# Altium PCB PCB1.PcbDoc
Units mil, origin at the board's own origin, x right, y up, seen from the top; angles counter-clockwise.
Board outline 3430 x 2760 mil, 2 copper layers (Top Layer, Bottom Layer); 37 components, 53 nets, 207 pads, 16 vias.
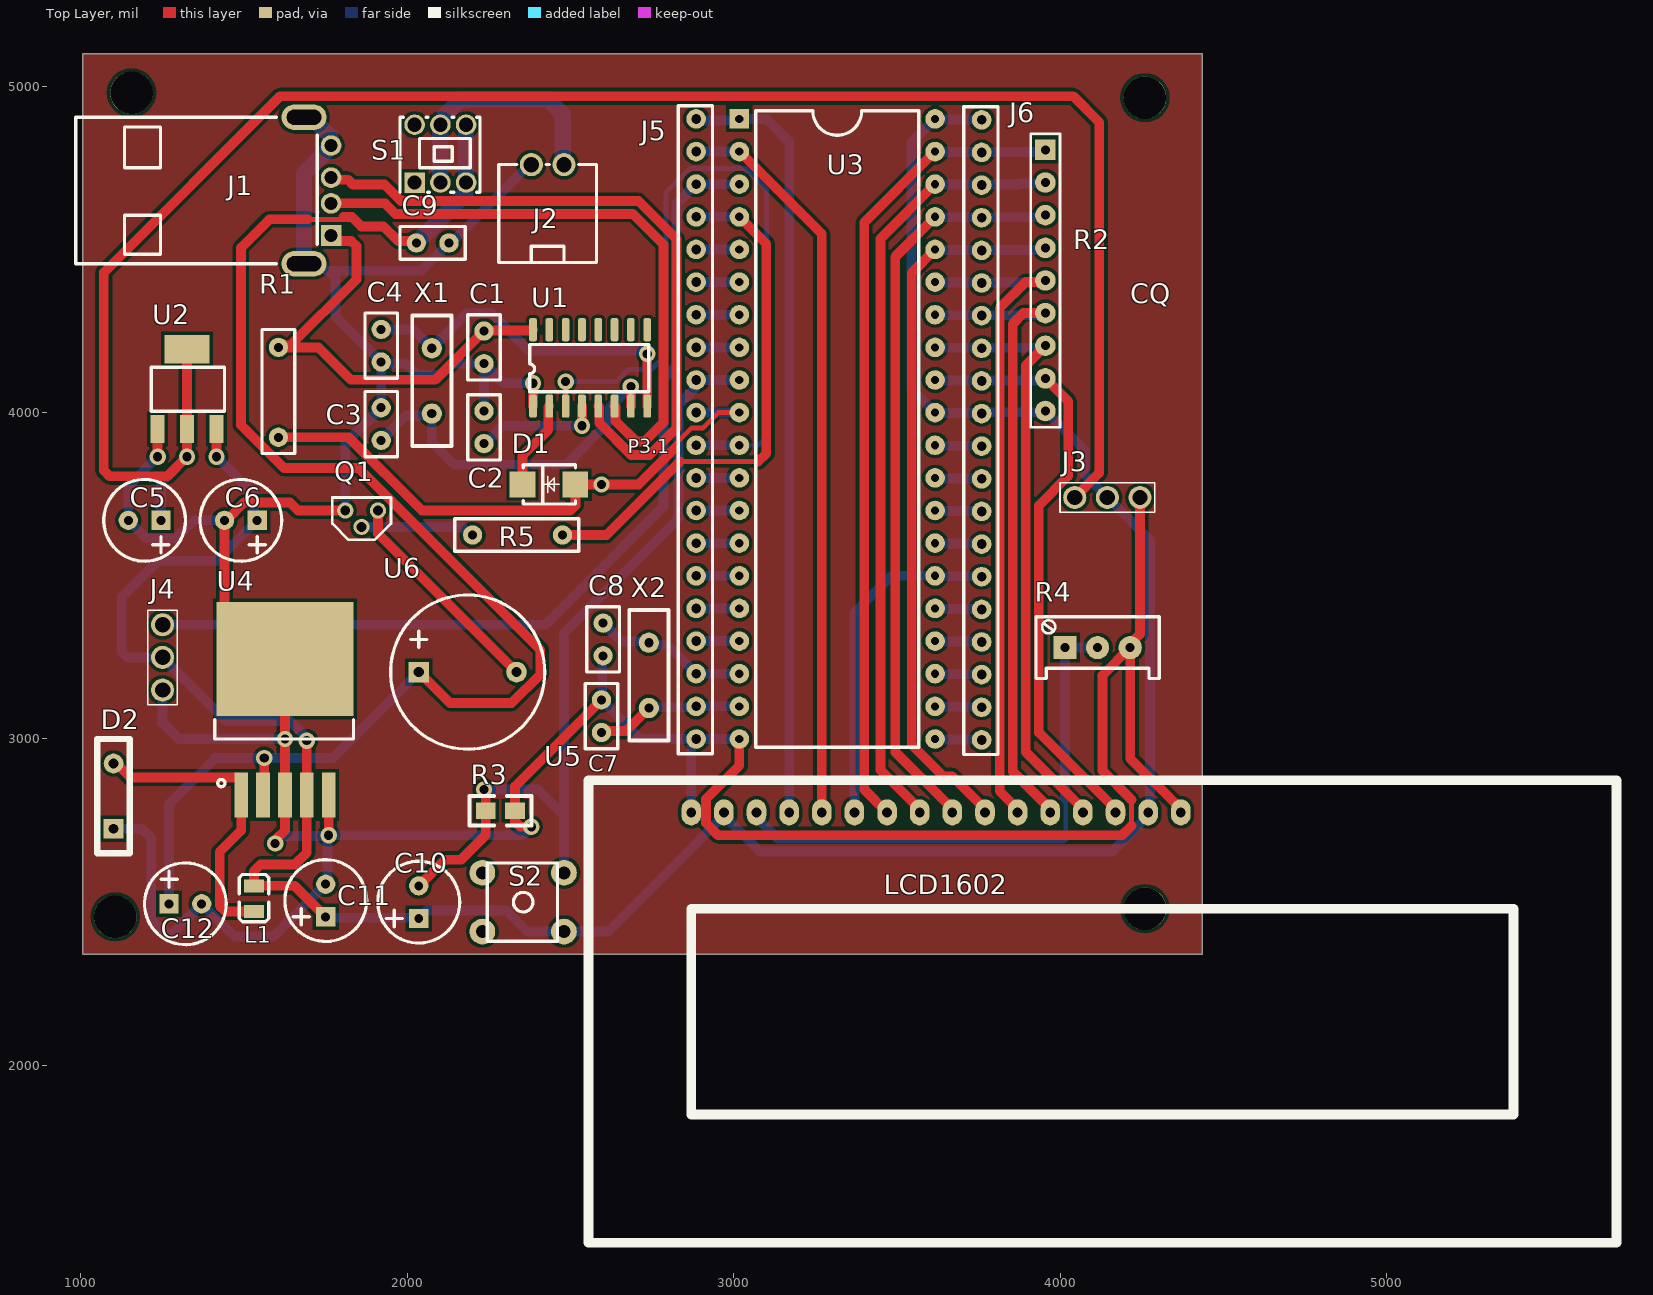
[diagram p0: Top Layer view]
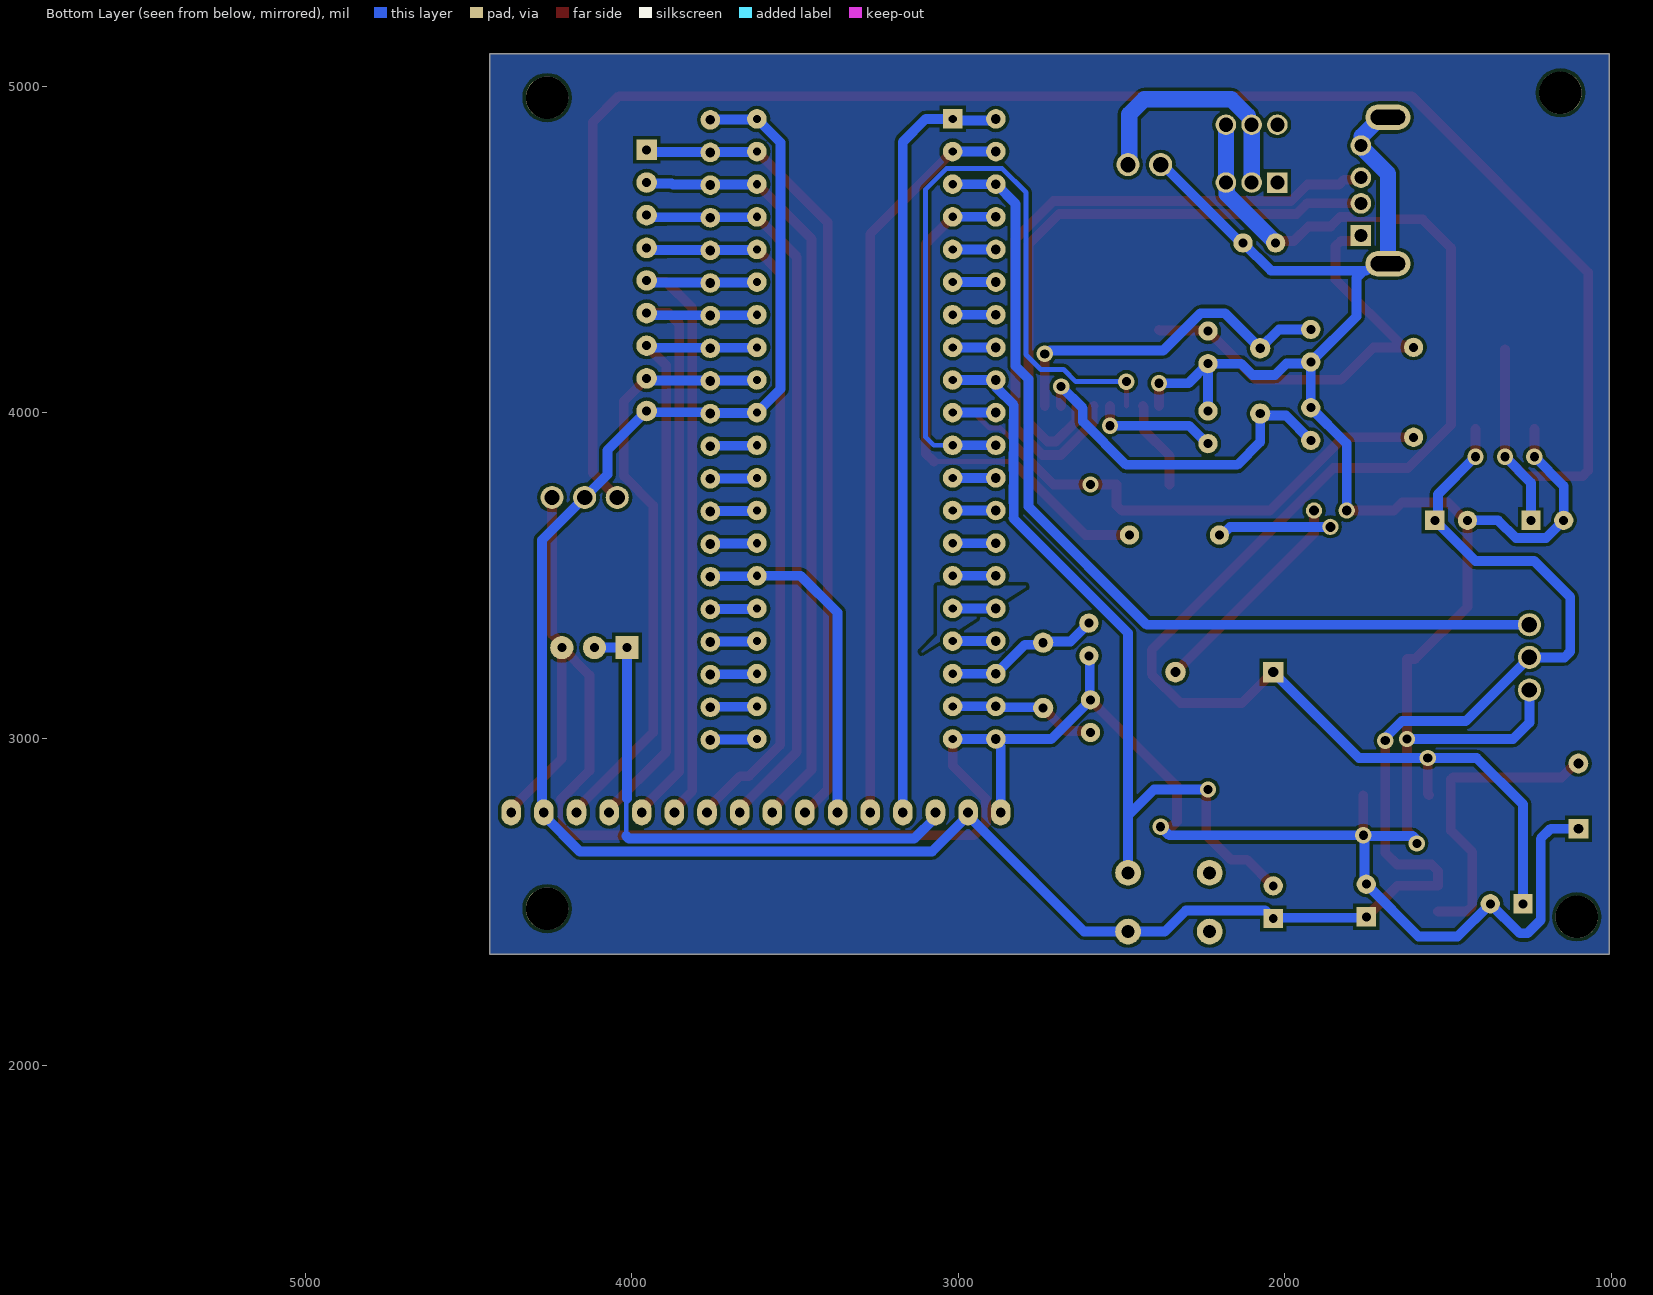
[diagram p1: Bottom Layer view, seen from below]

## Layer stack, top to bottom
Top Solder: solder mask 0.4, Solder Resist, Dk 3.5
Top Layer: signal copper 1.4
Dielectric 1: dielectric 12.6, FR-4, Dk 4.8
Bottom Layer: signal copper 1.4
Bottom Solder: solder mask 0.4, Solder Resist, Dk 3.5

## Board outline
1005,2340 1005,5100 4435,5100 4435,2340

## Design rules (kind name [scope] priority, off if disabled: settings)
Clearance [All] p1: gap=10 ignorepadtopadclearanceinfootprint=FALSE except(0: Arc-Hole Track-Hole SMDPad-Hole THPad-Hole Via-Hole Fill-Hole Poly-Hole Region-Hole Text-Hole)
PolygonConnect [All] p1: connectstyle=Relief reliefconductorwidth=10 reliefentries=4 polygonreliefangle="90 Angle" airgapwidth=10
RoutingVias [All] p1: holewidth=28 width=50 viastyle="Through Hole" minholewidth=28 minwidth=50 maxholewidth=28 maxwidth=50
SolderMaskExpansion [All] p1: expansion=4
Width [All] p1: maxlimit=78.74 minlimit=3.94 preferedwidth=19.68 minimp=50.000000 maximp=50.000000 favimp=50.000000
30 further rules are at their usual default settings.

## Components (designator, comment, footprint, x,y, rotation, side; value= is the part's Value field where it differs from the comment)
C1 "100nf" CAP_C 2235,4250 r270 top
C2 "100nf" CAP_C 2235,3905 r90 top
C3 "20pf" CAP_C 1920,3915 r90 top
C4 "20pf" CAP_C 1920,4255 r270 top
C5 "10uf" CAP_POL 1245,3670 r180 top
C6 "10uf" CAP_POL 1540,3670 r180 top
C7 "20pf" CAP_C 2595,3120 r270 top
C8 "20pf" CAP_C 2600,3255 r90 top
C9 "100nf" CAP_C 2027.52,4520 r0 top
C10 "10uf" CAP_POL 2035,2450 r90 top
C11 "120uf" CAP_POL 1750,2455 r90 top
C12 "220uf" CAP_POL 1270,2495 r0 top
D1 "SS14" DIODE_ss14 2515,3780 r180 top
D2 "1N5822" DIODE 1100,2725 r90 top
J1 "USB_A" USB_A 1683.66,4905.04 r270 top
J2 "XH-3.54_2pin" XH-2.54_2pin 2380,4760 r0 top
J3 "PIN_HEADER_3P" PIN_HEADER_3P 4045,3740 r0 top
J4 "PIN_HEADER_3P" PIN_HEADER_3P 1250,3350 r270 top
J5 "Header_20" HEADER20 2885,4900 r0 top
J6 "Header_20" HEADER20 3760,4897.2 r0 top
L1 "68uH" INDUC 1530,2550 r270 top
Q1 "PNP" PNP 1810,3700 r0 top
R1 "10K" RES 1605,3924.41 r90 top
R2 "10K" "R SIP9-2.54" 3955,4405 r270 top
R3 "10K" 0805 2330,2780 r180 top
R4 "10K" 3296W滑变 4115,3280 r0 top
R5 "12K" RES 2475.59,3625 r180 top
S1 "SW_latching" SW_latching 2022.52,4705 r0 top
S2 "SW_PB" KEY66 2355,2500 r270 top
U1 "CH340G" CH340G 2385,4254 r0 top
U2 "AMS1117" AMS1117 1325,4194 r270 top
U3 "89C52" DIP-40-插座 3017.29,4900 r0 top
U4 "lm2595s-5.0" LM2595S-5.0 1625,3245 r0 top
U5 "LCD1602" 1602LCD 2555.04,2873.43 r0 top
U6 "BUZZER" buzzer 2185,3205 r0 top
X1 "12M" XTAL1 2075,3997.2 r90 top
X2 "11.0592M" XTAL1 2740,3295 r270 top

## Footprints (in the part's own frame and the unit in brackets; to place one, negate y for a bottom-side part, rotate by r counter-clockwise, add the part's x,y. Pads: shape width x height; smd on the part's side, far side on the other; paste and mask are expansions set on the pad)
0805 [mil]
  rect 60x50 smd: 1(0,0) 2(90,0)
  silkscreen extent -50,-45 140,45, body extent 6,-26 84,26, height 29
1602LCD [mil] "LCD module 16*2 char"
  oval 60x80 hole 30: 1(314.96,-98.43) 2(414.96,-98.43) 3(514.96,-98.43) 4(614.96,-98.43) 5(714.96,-98.43) 6(814.96,-98.43) 7(914.96,-98.43) 8(1014.96,-98.43) 9(1114.96,-98.43) 10(1214.96,-98.43) 11(1314.96,-98.43) 12(1414.96,-98.43) 13(1514.96,-98.43) 14(1614.96,-98.43) 15(1714.96,-98.43) 16(1814.96,-98.43)
  silkscreen extent 0,-1417 3150,0, body extent -145,-1407 3175,10, height 435
3296W滑变 [mm] "Precise Multi-Winding Adjustable Resistor"
  rect 1.8x1.8 hole 0.7: 1(-2.54,0)
  round 1.8 hole 0.7: 2(0,0) 3(2.54,0)
  silkscreen extent -4.8,-2.4 4.8,2.4, body extent -4.75,-2.4 4.75,2.4, height 11.52
AMS1117 [mm]
  rect 2.2x1.1 smd: 1(6.198,-2.3) 2(6.198,0) 3(6.198,2.3)
  rect 2.2x3.5 smd: 4(0,0)
  silkscreen extent 1.4,-2.79 4.83,2.92
buzzer [mm]
  rect 1.6x1.6 hole 0.8: 1(-3.8,0)
  round 1.6 hole 0.8: 2(3.8,0)
  silkscreen extent -6,-6 6,6, body extent -6.86,-7.1 6.83,6.59, height 7.59
CAP_C [mm]
  round 1.5 hole 0.7: 1(0,0) 2(2.54,0)
  silkscreen extent -1.27,-1.27 3.81,1.27
CAP_POL [mm]
  rect 1.5x1.5 hole 0.7: 1(0,0)
  round 1.5 hole 0.7: 2(2.54,0)
  silkscreen extent -1.91,-3.18 4.45,3.18, body extent -1.88,-2.9 4.43,3.4, height 7.04
CH340G [mm]
  rrect50% 0.6x1.8 smd: 1(0,-5.944) 2(1.27,-5.944) 3(2.54,-5.944) 4(3.81,-5.944) 5(5.08,-5.944) 6(6.35,-5.944) 7(7.62,-5.944) 8(8.89,-5.944) 9(8.89,0) 10(7.62,0) 11(6.35,0) 12(5.08,0) 13(3.81,0) 14(2.54,0) 15(1.27,0) 16(0,0)
  silkscreen extent -0.25,-4.83 9.02,-1.14
DIODE [mm]
  rect 1.54x1.54 hole 0.762: 1(0,0)
  round 1.54 hole 0.762: 2(5.08,0)
  silkscreen extent -1.91,-1.27 6.98,1.27
DIODE_ss14 [mm]
  rect 2x2 smd: 1(0,0) 2(4.115,0)
  silkscreen extent 0,-1.52 4.06,1.52
DIP-40-插座 [mil]
  rect 60x60 hole 25: 1(0,0)
  round 60 hole 25: 2(0,-100) 3(0,-200) 4(0,-300) 5(0,-400) 6(0,-500) 7(0,-600) 8(0,-700) 9(0,-800) 10(0,-900) 11(0,-1000) 12(0,-1100) 13(0,-1200) 14(0,-1300) 15(0,-1400) 16(0,-1500) 17(0,-1600) 18(0,-1700) 19(0,-1800) 20(0,-1900) 21(600,-1900) 22(600,-1800) 23(600,-1700) 24(600,-1600) 25(600,-1500) 26(600,-1400) 27(600,-1300) 28(600,-1200) 29(600,-1100) 30(600,-1000) 31(600,-900) 32(600,-800) 33(600,-700) 34(600,-600) 35(600,-500) 36(600,-400) 37(600,-300) 38(600,-200) 39(600,-100) 40(600,0)
  silkscreen extent 50,-1925 550,25, body extent -45,-1979 652,79, height 315
HEADER20 [mil]
  round 60 hole 30: 1(0,0) 2(0,-100) 3(0,-200) 4(0,-300) 5(0,-400) 6(0,-500) 7(0,-600) 8(0,-700) 9(0,-800) 10(0,-900) 11(0,-1000) 12(0,-1100) 13(0,-1200) 14(0,-1300) 15(0,-1400) 16(0,-1500) 17(0,-1600) 18(0,-1700) 19(0,-1800) 20(0,-1900)
  silkscreen extent -55,-1945 50,40, body extent -50,-1950 50,50, height 455
INDUC [mm]
  rect 1x1.55 smd: 1(0,0) 2(2,0)
  silkscreen extent -0.89,-1.14 2.79,1.14, body extent -0.63,-1.25 2.67,1.25, height 2.24
KEY66 [mil]
  round 78.74 hole 40: 1(-90,125) 2(90,125) 3(-90,-125) 4(90,-125)
  silkscreen extent -120,-110 120,105, body extent -122,-156 122,156, height 157
LM2595S-5.0 [mm]
  rect 1.069x3.5 smd: 1(-3.404,-10.6) 2(-1.702,-10.6) 3(0,-10.6) 4(1.702,-10.6) 5(3.404,-10.6)
  rect 10.66x8.89 smd: 6(0,0)
  silkscreen extent -5.46,-9.94 5.33,-4.7
PIN_HEADER_3P [mm]
  round 1.8 hole 1.2: 1(0,0) 2(2.54,0) 3(5.08,0)
  silkscreen extent -1.14,-1.14 6.22,1.14, body extent -1.27,-1.27 6.35,1.27, height 8.05
PNP [mil]
  round 50 hole 30: 1(100,0) 2(50,-50) 3(0,0)
  silkscreen extent -40,-90 140,40, body extent -44,-84 144,59, height 190
"R SIP9-2.54" [mm] "22.6mm*5mm*2.2mm(长*宽*厚)"
  rect 1.6x1.6 hole 0.7: 1(-10.16,0)
  round 1.6 hole 0.7: 2(-7.62,0) 3(-5.08,0) 4(-2.54,0) 5(0,0) 6(2.54,0) 7(5.08,0) 8(7.62,0) 9(10.16,0)
  silkscreen extent -11.43,-1.14 11.43,1.14, body extent -11.31,-0.96 11.31,0.96, height 5.2
RES [mm]
  round 1.5 hole 0.7: 1(0,0) 2(7,0)
  silkscreen extent -1.27,-1.27 8.38,1.27, body extent -3.04,-2 10.41,1.75, height 6.84
SW_latching [mm]
  rect 1.6x1.6 hole 1.1: 1(0,0)
  round 1.6 hole 1.1: 2(2,0) 3(4,0) 4(0,4.5) 5(2,4.5) 6(4,4.5)
  silkscreen extent -1.14,-0.76 5.08,5.08
USB_A [mm]
  rect 1.6x1.6 hole 1: 1(9.2,2.1)
  round 1.6 hole 1: 2(6.7,2.1) 3(4.7,2.1) 4(2.2,2.1)
  oval 2x3.5 hole 1.2 slot 2.7 at 90 deg: 5(0,0) 6(11.4,0)
  silkscreen extent 0,-17.78 11.4,1.02, body extent -2.26,-10.94 13.44,3.21, height 7.76
XH-2.54_2pin [mm]
  round 1.8 hole 1.2: 1(0,0) 2(2.54,0)
  silkscreen extent -2.54,-7.62 5.08,0, body extent -2.43,-3.68 5.17,3.43, height 11.5
XTAL1 [mil]
  round 62 hole 28: 1(0,0) 2(200,0)
  silkscreen extent -100,-60 300,60, body extent -110,-60 310,60, height 122

## Part data
C1 C2 C3 C4 C7 C8 C9: library part CAP_C, "Capacitor"
C5 C6 C10 C11 C12: library part CAP_POL, "Capacitor"
D1: library part DIODE_ss14
D2: library part DIODE, "Diode"
J5 J6: library part Header20
L1: library part INDUC
Q1: "PNP Transistor"
R1 R5: library part RES
R2: library part R排阻
R3: library part RES_1
R4: library part "RESISTOR TAPPED"
S2: library part SW-PB
U6: "Buzzer"
X1 X2: library part XPAL_2P

## Free pads (board coordinates)
  round 129.92 hole 129.92 unplated: 5(1155,4980) 6(1105,2455) 7(4260,2480) 8(4260,4965)

## Via types
v1: diameter 50, hole 28, Top Layer to Bottom Layer, tented both sides, 16 vias

## Nets (pads, with @x,y where several pads share a name; then routed paths per layer and width w, separated by ;. In a path a pad name is that pad's centre, name@x,y a point inside that pad or via, vN(x,y) a via of type N, cw(c..) or ccw(c..) an arc to the next point about the centre after c; other vN are vias at no path point)
+3.3V: C5.1 J3.1 U2.2 U2.4 | length 5939.1
  Top Layer w30: U2.4 U2.2 v1(1325,3865) 1265,3805 1087.57,3805 1070,3822.57 1070,4430 1609.41,4969.41 4040.59,4969.41 4120,4890 4120,3815 J3.1
  Bottom Layer w30: C5.1 1245,3785 v1(1325,3865)
+5V: C6.1 C10.1 C11.1 J3.2 J4.2 J6.1 J6.10 L1.1 R2.9 S2.2 U2.3 U3.31 U3.40 U4.4 U5.2 U5.15 | length 8147.5
  Top Layer w30: v1(1415.55,3865) U2.3 ; v1@1692,2980 U4.4 1692,2652 1655,2615 1550,2615 1530,2595 L1.1 1655,2550 C11.1
  Top Layer w50: U3.31 U3.31@3620,4000 ; U3.40 U3.40@3620,4900
  Bottom Layer w30: v1(1415.55,3865) 1530.61,3749.94 1530.61,3679.39 C6.1 1415.24,3545.24 1235.24,3545.24 1125,3435 1125,3267.57 1142.57,3250 J4.2 1445,3055 1640.71,3055 1688.17,3007.54 1688.17,2998.83 v1(1692,2995) ; C11.1 1752.5,2452.5 2032.5,2452.5 C10.1 2059.37,2474.37 2302.89,2474.37 2367.26,2410 S2.2 2615,2410 U5.2@2970,2765 ; U5.2 U5.2@2970,2765 ; J6.1 3758.6,4898.6 3618.69,4898.6 U3.40 3545,4827.71 3545,4072.29 U3.31 3618.69,3998.6 3758.6,3998.6 J6.10 3763.9,4001.1 3951.1,4001.1 R2.9 4075,3885 4075,3810 J3.2 4275.43,3609.57 4275.43,2780.43 U5.15 4270,2765 4160,2655 3080,2655 U5.2@2970,2765
ALE/P\R\O\G\: J6.11 U3.30 | length 146.6
  Top Layer w50: U3.30 U3.30@3620,3900
  Bottom Layer w30: U3.30 3618.69,3898.6 3758.6,3898.6 J6.11
GND: C1.2 C2.2 C3.2 C4.2 C5.2 C6.2 C7.1 C8.1 C9.2 C11.2 C12.2 D2.1 J1.4 J1.5 J1.6 J2.1 J3.3 J4.3 J5.20 Q1.3 R3.1 R4.3 U1.1 U2.1 U3.20 U4.3 U4.5 U4.6 U5.1 U5.16 | length 12345.1
  Top Layer w15: 4218.89,2733.89 4218.89,2813.89
  Top Layer w30: v1@1234.45,3855 U2.1 U2.1@1235,3949.45 ; J4.3@1245,3145 J4.3 ; v1(1595,2680) 1595,2690 1625,2720 U4.3 1625,2975 ; v1(1625,3000) U4.6 1600,3245 1440,3405 C6.2 1445.59,3670 1500.12,3724.53 1640.09,3724.53 1664.62,3700 Q1.3 ; v1(1759,2705) U4.5 ; v1(2380,2731.21) 2346.01,2731.21 2330,2747.22 R3.1 2330,2855 C7.1 ; U1.1 v1(2385,4090) ; U3.20 3017.29,2918.2 2915,2815.9 2915,2742.22 2952.22,2705 4190,2705 4218.89,2733.89 ; 4218.89,2813.89 4130,2902.78 4130,3195 R4.3 ; J3.3 4245,3321.06 4215,3291.06 R4.3 ; U5.16 4370,2785 4215,2940 R4.3
  Top Layer w50: U3.20@3014.59,3000 U3.20
  Bottom Layer w30: D2.1 1185,2725 1215.47,2694.53 1215.47,2444.53 1255.07,2404.93 1279.93,2404.93 C12.2 1470,2395 1590,2395 C11.2 1755.17,2560.17 1755.17,2701.17 v1@1756.5,2702.5 ; v1(1235,3865) 1145,3775 C5.2 1199.53,3615.47 1291.36,3615.47 1345.89,3670 C6.2 ; J4.3 1250,3050 1300,3000 v1(1625,3000) ; v1(1595,2680) 1595,2690 1607.5,2702.5 v1@1756.5,2702.5 ; 1750,4435 1757.49,4435 ; Q1.3 1810,3905 C3.2 C4.2 ; C2.2 C1.2 ; v1(2380,2731.21) 2353.79,2705 v1(1759,2705) v1@1756.5,2702.5 ; J2.1 2373.76,4760 2133.76,4520 C9.2 2042.52,4435 1757.49,4435 ; v1(2385,4090) 2295,4090 C1.2 ; C8.1 2597.5,3252.5 2597.5,3122.5 C7.1 2715,3000 J5.20 ; U5.1 2870,2976.88 2885,2991.88 J5.20 ; U3.20 J5.20 ; R4.3 R4.3@4215,3291.06 ; U5.16 U5.16@4370,2785 ; 1757.49,4435 1780,4412.49 1780,4295 C4.2 ; C4.2 1924.53,4150.47 1994.53,4150.47 2030,4115 2098.8,4115 2133.8,4150 C1.2
  Bottom Layer w50: J1.6 1683.66,4732.22 1766.34,4814.9 J1.4 ; J1.5 1705.41,4905.04 J1.4@1763.85,4846.6
NetC2_1: C2.1 U1.4 | length 382.8
  Top Layer w30: v1(2535,3960) U1.4
  Bottom Layer w30: C2.1 2238.05,3905 2293.05,3960 v1(2535,3960)
NetC3_1: C3.1 U1.7 X1.1 | length 1098.5
  Top Layer w30: U1.7 v1(2685,4080)
  Bottom Layer w30: C3.1 1996.08,3991.08 2068.88,3991.08 X1.1 2075,3910 2145,3840 2485.71,3840 2618.44,3972.73 2618.44,4013.44 v1(2685,4080)
NetC4_1: C4.1 U1.8 X1.2 | length 1095
  Top Layer w30: U1.8 v1(2735,4180)
  Bottom Layer w30: C4.1 2017.2,4255 X1.2 2182.33,4304.53 2257.59,4304.53 2372.11,4190 2720,4190 2730,4180 v1(2735,4180)
NetD1_2: D1.2 U1.2 | length 274
  Top Layer w30: D1.2 2353,3868 2431.81,3946.81 2431.81,4016.81 U1.2
NetD2_2: D2.2 L1.2 U4.1 | length 937.8
  Top Layer w30: D2.2 1108.29,2925 1151.71,2881.58 1484.95,2881.58 1491,2875.53 U4.1 1491,2720 1425,2654 1425,2488.83 1442.57,2471.26 L1.2
NetJ2_2: J2.2 S1.2 S1.5 | length 735.2
  Bottom Layer w50: S1.2 S1.5 ; S1.5@2113.5,4909.7 2163.8,4960 2430,4960 2476.01,4913.99 2476.01,4763.99 J2.2
NetQ1_1: Q1.1 U6.2 | length 670.9
  Top Layer w30: Q1.1 1910,3629.61 U6.2
NetQ1_2: Q1.2 R5.2 | length 350.4
  Bottom Layer w30: Q1.2 2167.14,3650 2192.14,3625 R5.2
NetR4_1: R4.1 R4.2 U5.3 | length 1681.1
  Bottom Layer w15: 4015,2817.78 4015,2807.18 4017.5,2804.68 4017.5,2702.5
  Bottom Layer w30: U5.3@3070,2785 U5.3 3070,2760 3135,2695 4010,2695 4017.5,2702.5 ; 4015,2817.78 R4.1 R4.2
P0.0: J6.2 R2.1 U3.39 U5.7 | length 2488.8
  Top Layer w30: U5.7 3400,2845 3400,4582.71 U3.39
  Top Layer w50: U3.39 U3.39@3620,4800
  Bottom Layer w30: U3.39 3618.69,4798.6 3758.6,4798.6 J6.2 3761.4,4798.6 3948.6,4798.6 R2.1
P0.1: J6.3 R2.2 U3.38 U5.8 | length 2386.1
  Top Layer w30: U5.8 3570,2785 3450,2905 3450,4532.71 U3.38
  Bottom Layer w30: U3.38 3618.69,4698.6 3758.6,4698.6 J6.3 3761.4,4698.6 3875,4698.6 3878.5,4702.1 3952.1,4702.1 R2.2
P0.2: J6.4 R2.3 U3.37 U5.9 | length 2292.9
  Top Layer w30: U3.37 3495,4477.71 3495,2960 3670,2785 U5.9
  Top Layer w50: U3.37 U3.37@3620,4600
  Bottom Layer w30: U3.37 3618.69,4598.6 3758.6,4598.6 J6.4 3761.4,4598.6 3893.6,4598.6 3893.69,4598.69 3948.69,4598.69 R2.3
P0.3: J6.5 R2.4 U3.36 U5.10 | length 2208.5
  Top Layer w30: U3.36 3545.81,4428.52 3545.81,2981.48 3641.18,2886.11 3668.89,2886.11 3770,2785 U5.10
  Top Layer w50: U3.36 U3.36@3620,4500
  Bottom Layer w30: U3.36 3618.69,4498.6 3758.6,4498.6 J6.5 3761.4,4498.6 3893.6,4498.6 3893.69,4498.69 3948.69,4498.69 R2.4
P0.4: J6.6 R2.5 U3.35 U5.11 | length 2087.8
  Top Layer w30: U5.11 3870,2785 3815,2840 3815,4320 3895,4400 3950,4400 R2.5
  Top Layer w50: U3.35 U3.35@3620,4400
  Bottom Layer w30: U3.35 3618.69,4398.6 3758.6,4398.6 J6.6 3761.4,4398.6 3893.6,4398.6 3893.69,4398.69 3948.69,4398.69 R2.5
P0.5: J6.7 R2.6 U3.34 U5.12 | length 2003.4
  Top Layer w30: R2.6 3887.57,4305 3855,4272.43 3855,2900 3970,2785 U5.12
  Top Layer w50: U3.34 U3.34@3620,4300
  Bottom Layer w30: U3.34 3618.69,4298.6 3758.6,4298.6 J6.7 3761.4,4298.6 3893.6,4298.6 3893.69,4298.69 3948.69,4298.69 R2.6
P0.6: J6.8 R2.7 U3.33 U5.13 | length 1872.1
  Top Layer w30: R2.7 3895,4145 3895,2960 4070,2785 U5.13
  Top Layer w50: U3.33 U3.33@3620,4200
  Bottom Layer w30: U3.33 3618.69,4198.6 3758.6,4198.6 J6.8 3761.4,4198.6 3893.6,4198.6 3893.69,4198.69 3948.69,4198.69 R2.7
P0.7: J6.9 R2.8 U3.32 U5.14 | length 1835.7
  Top Layer w30: R2.8 4025,4035 4025,3805.47 3935,3715.47 3935,3020 4170,2785 U5.14
  Bottom Layer w30: U3.32 3618.69,4098.6 3758.6,4098.6 J6.9 3761.4,4098.6 3893.6,4098.6 3893.69,4098.69 3948.69,4098.69 R2.8
P1.0: J5.1 U3.1 U5.4 | length 2390
  Top Layer w15: U3.1@3007.29,4910 U3.1
  Bottom Layer w30: J5.1 2890,4895 3015,4895 U3.1@3020,4890 ; U3.1 3100,4900 3170,4830 U5.4
P1.1: J5.2 U3.2 U5.5 | length 2264.7
  Top Layer w30: U3.2 3270,4547.29 U5.5
  Top Layer w50: U3.2@3014.59,4800 U3.2
  Bottom Layer w30: J5.2 U3.2
P1.2: J4.1 J5.3 U3.3 | length 2849.2
  Top Layer w50: U3.3@3014.59,4700 U3.3
  Bottom Layer w30: J4.1 2422.78,3350 2785,3712.22 2785,4102.72 2825,4142.72 2825,4640 J5.3 U3.3
P1.3: J5.4 R5.1 U3.4 | length 1622.2
  Top Layer w15: 2835,3850 3075,3850
  Top Layer w30: R5.1 2610,3625 2835,3850 ; U3.4 3100,4517.29 3100,3875 3075,3850
  Top Layer w50: U3.4@3014.59,4600 U3.4
  Bottom Layer w30: J5.4 U3.4
P1.4: J5.5 U3.5 | length 135
  Top Layer w50: U3.5@3014.59,4500 U3.5
  Bottom Layer w30: J5.5 U3.5
P1.5: J5.6 U3.6 | length 135
  Top Layer w50: U3.6@3014.59,4400 U3.6
  Bottom Layer w30: J5.6 U3.6
P1.6: J5.7 U3.7 | length 135
  Top Layer w50: U3.7@3014.59,4300 U3.7
  Bottom Layer w30: J5.7 U3.7
P1.7: J5.8 U3.8 | length 135
  Top Layer w50: U3.8@3014.59,4200 U3.8
  Bottom Layer w30: J5.8 U3.8
P2.0: J6.20 U3.21 | length 146.6
  Top Layer w50: U3.21 U3.21@3620,3000
  Bottom Layer w30: U3.21 3618.69,2998.6 3758.6,2998.6 J6.20
P2.1: J6.19 U3.22 | length 146.6
  Top Layer w50: U3.22 U3.22@3620,3100
  Bottom Layer w30: U3.22 3618.69,3098.6 3758.6,3098.6 J6.19
P2.2: J6.18 U3.23 | length 146.6
  Top Layer w50: U3.23 U3.23@3620,3200
  Bottom Layer w30: U3.23 3618.69,3198.6 3758.6,3198.6 J6.18
P2.3: J6.17 U3.24 | length 146.6
  Top Layer w50: U3.24 U3.24@3620,3300
  Bottom Layer w30: U3.24 3618.69,3298.6 3758.6,3298.6 J6.17
P2.4: J6.16 U3.25 | length 146.6
  Top Layer w50: U3.25 U3.25@3620,3400
  Bottom Layer w30: U3.25 3618.69,3398.6 3758.6,3398.6 J6.16
P2.5: J6.15 U3.26 U5.6 | length 1052.8
  Top Layer w50: U3.26 U3.26@3620,3500
  Bottom Layer w30: U5.6 3370,3387.2 3482.8,3500 U3.26 3618.69,3498.6 3758.6,3498.6 J6.15
P2.6: J6.14 U3.27 | length 146.6
  Top Layer w50: U3.27 U3.27@3620,3600
  Bottom Layer w30: U3.27 3618.69,3598.6 3758.6,3598.6 J6.14
P2.7: J6.13 U3.28 | length 146.6
  Top Layer w50: U3.28 U3.28@3620,3700
  Bottom Layer w30: U3.28 3618.69,3698.6 3758.6,3698.6 J6.13
P3.0: D1.1 J5.10 R1.1 U3.10 | length 1805.7
  Top Layer w15: 2818.43,3890 2818.43,3900.61 2870.32,3952.5 2904.68,3952.5 2952.18,4000 U3.10
  Top Layer w30: R1.1 1820.59,3924.41 2045,3700 2499.37,3700 2515,3715.63 D1.1 v1(2595,3780) 2708.43,3780 2818.43,3890
  Bottom Layer w30: J5.10 U3.10
P3.1: J5.11 U1.3 U3.11 | length 2265.2
  Top Layer w15: U1.3 v1(2485,4095)
  Top Layer w50: U3.11@3014.59,3900 U3.11
  Bottom Layer w15: v1(2485,4095) 2639.9,4095 2676.94,4132.05 2747.15,4132.05 2792.5,4177.4 2792.5,4674.68 2865.32,4747.5 3036.97,4747.5 3100,4684.47 3100,3925 3075,3900 U3.11
  Bottom Layer w30: J5.11 U3.11
P3.2: J5.12 U3.12 | length 135
  Top Layer w50: U3.12@3014.59,3800 U3.12
  Bottom Layer w30: J5.12 U3.12
P3.3: J5.13 U3.13 | length 135
  Top Layer w50: U3.13@3014.59,3700 U3.13
  Bottom Layer w30: J5.13 U3.13
P3.4: J5.14 U3.14 | length 135
  Top Layer w50: U3.14@3014.59,3600 U3.14
  Bottom Layer w30: J5.14 U3.14
P3.5: J5.15 U3.15 | length 135
  Top Layer w50: U3.15@3014.59,3500 U3.15
  Bottom Layer w30: J5.15 U3.15
P3.6: J5.16 U3.16 | length 135
  Top Layer w50: U3.16@3014.59,3400 U3.16
  Bottom Layer w30: J5.16 U3.16
P3.7: J5.17 U3.17 | length 135
  Top Layer w50: U3.17@3014.59,3300 U3.17
  Bottom Layer w30: J5.17 U3.17
P\S\E\N\: J6.12 U3.29 | length 146.6
  Top Layer w50: U3.29 U3.29@3620,3800
  Bottom Layer w30: U3.29 3618.69,3798.6 3758.6,3798.6 J6.12
RST: C10.2 J5.9 R3.2 S2.1 U3.9 | length 2493.8
  Top Layer w30: C10.2 2115.28,2630.28 2165.28,2630.28 2240,2705 R3.2 v1@2240,2835
  Top Layer w50: U3.9@3014.59,4100 U3.9
  Bottom Layer w30: v1(2235,2845) 2400,2845 2480,2765 ; S2.1 2480,2765 ; U3.9 J5.9 2885,4077.78 2830,4022.78 2830,3977.22 2831.11,3976.11 2831.11,3923.89 2830,3922.78 2830,3877.22 2831.11,3876.11 2831.11,3823.89 2830,3822.78 2830,3777.22 2831.11,3776.11 2831.11,3723.89 2830,3722.78 2830,3677.22 2831.11,3676.11 2480,3325 2480,2765
UD+: J1.3 U1.5 | length 2080.4
  Top Layer w30: J1.3 1772.65,4713.69 1817.77,4713.69 1832.68,4698.78 1930.39,4698.78 1980.67,4648.5 2708.06,4648.5 2825,4531.57 2825,3953.14 2741.86,3870 2686.1,3870 2588.19,3967.91 2588.19,4016.81 U1.5
UD-: J1.2 U1.6 | length 1860.4
  Top Layer w30: J1.2 1931.34,4641.26 1964.1,4608.5 2691.5,4608.5 2785,4515 2785,3969.71 2726.41,3911.11 2701.55,3911.11 2638.19,3974.47 2638.19,4016.81 U1.6
VCC: C9.1 C12.1 S1.3 S1.6 U4.2 U6.1 | length 4657.1
  Top Layer w15: 1695,4592.26 1797.24,4592.26 1804.3,4599.33
  Top Layer w30: U4.2 1561.58,2831.26 v1(1561.58,2941.58) ; 1695,4592.26 1577.26,4592.26 1490,4505 1490,3962.3 1622.3,3830 1850.71,3830 2407.57,3273.14 2407.57,3198.07 2319.5,3110 2130.39,3110 U6.1 ; 1804.3,4599.33 1830.29,4599.33 1859.01,4570.61 1927.2,4570.61 1972.24,4525.56 2021.96,4525.56 C9.1
  Bottom Layer w30: C12.1 1270,2800 1411.58,2941.58 v1(1561.58,2941.58) 1771.97,2941.58 U6.1
  Bottom Layer w50: C9.1 2177.51,4669.99 2177.51,4702.51 S1.3 S1.6
VCC-5V: C1.1 J1.1 R1.2 U1.16 | length 1403.1
  Top Layer w30: J1.1 1782.83,4526.33 1827.96,4526.33 1843.9,4510.39 1843.9,4408.34 1641.12,4205.56 1610.56,4205.56 R1.2 1727.96,4200 1827.49,4100.47 2085.47,4100.47 C1.1 2237,4252 2383,4252 U1.16
XTAL1: C7.2 J5.19 U3.19 X2.2 | length 458.1
  Top Layer w30: C7.2 2599.53,3024.53 2669.53,3024.53 X2.2
  Top Layer w50: U3.19@3014.59,3100 U3.19
  Bottom Layer w30: X2.2 2742.5,3097.5 2882.5,3097.5 J5.19 U3.19
XTAL2: C8.2 J5.18 U3.18 X2.1 | length 484.2
  Top Layer w50: U3.18@3014.59,3200 U3.18
  Bottom Layer w30: C8.2 2656.14,3298.86 2736.14,3298.86 X2.1 2746.12,3288.88 2796.12,3288.88 J5.18 U3.18
pads on no net: S1.1 S1.4 S2.3 S2.4 U1.9 U1.10 U1.11 U1.12 U1.13 U1.14 U1.15

## Polygon pours and split planes (outlines as drawn)
no net on Top Layer "Top Layer-No Net 1" (solid, pour order 30): 1005,5100 4435,5100 4435,2340 1005,2340
no net on Top Layer "Top Layer-No Net" (solid, pour order 4): 1520,4170
no net on Bottom Layer "Bottom Layer-No Net 1" (solid, pour order 28): 1005,5100 4435,5100 4435,2340 1005,2340
no net on Bottom Layer "Bottom Layer-No Net" (solid, pour order 14): 2785,3470 3065,3470 3065,3317.5 3130,3252.5
no net on Bottom Layer "Bottom Layer-No Net 2" (solid, pour order 10): 1435,4205
no net on Bottom Layer "Bottom Layer-No Net 3" (solid, pour order 8): 1450,4350

## Silkscreen, mask and mechanical layers (free items; w line width, h text height)
Top Overlay:
  text "CQ" at 4215,4335 h60
  text "P3.1" at 2675,3875 h42
Mechanical 1:
  the board outline again, w5